# Altium PCB dcb_v2.PcbDoc (part 2 of 2)
Units mil, origin at the board's own origin, x right, y up, seen from the top; angles counter-clockwise.
Board outline 6889.76 x 2362.2 mil, 4 copper layers (Top Layer, Int1 (GND), Int2 (PWR), Bottom Layer), stack 53.912 mil thick; 162 components, 97 nets, 594 pads, 455 vias.
Unrouted connection lines stored in the file: 2.
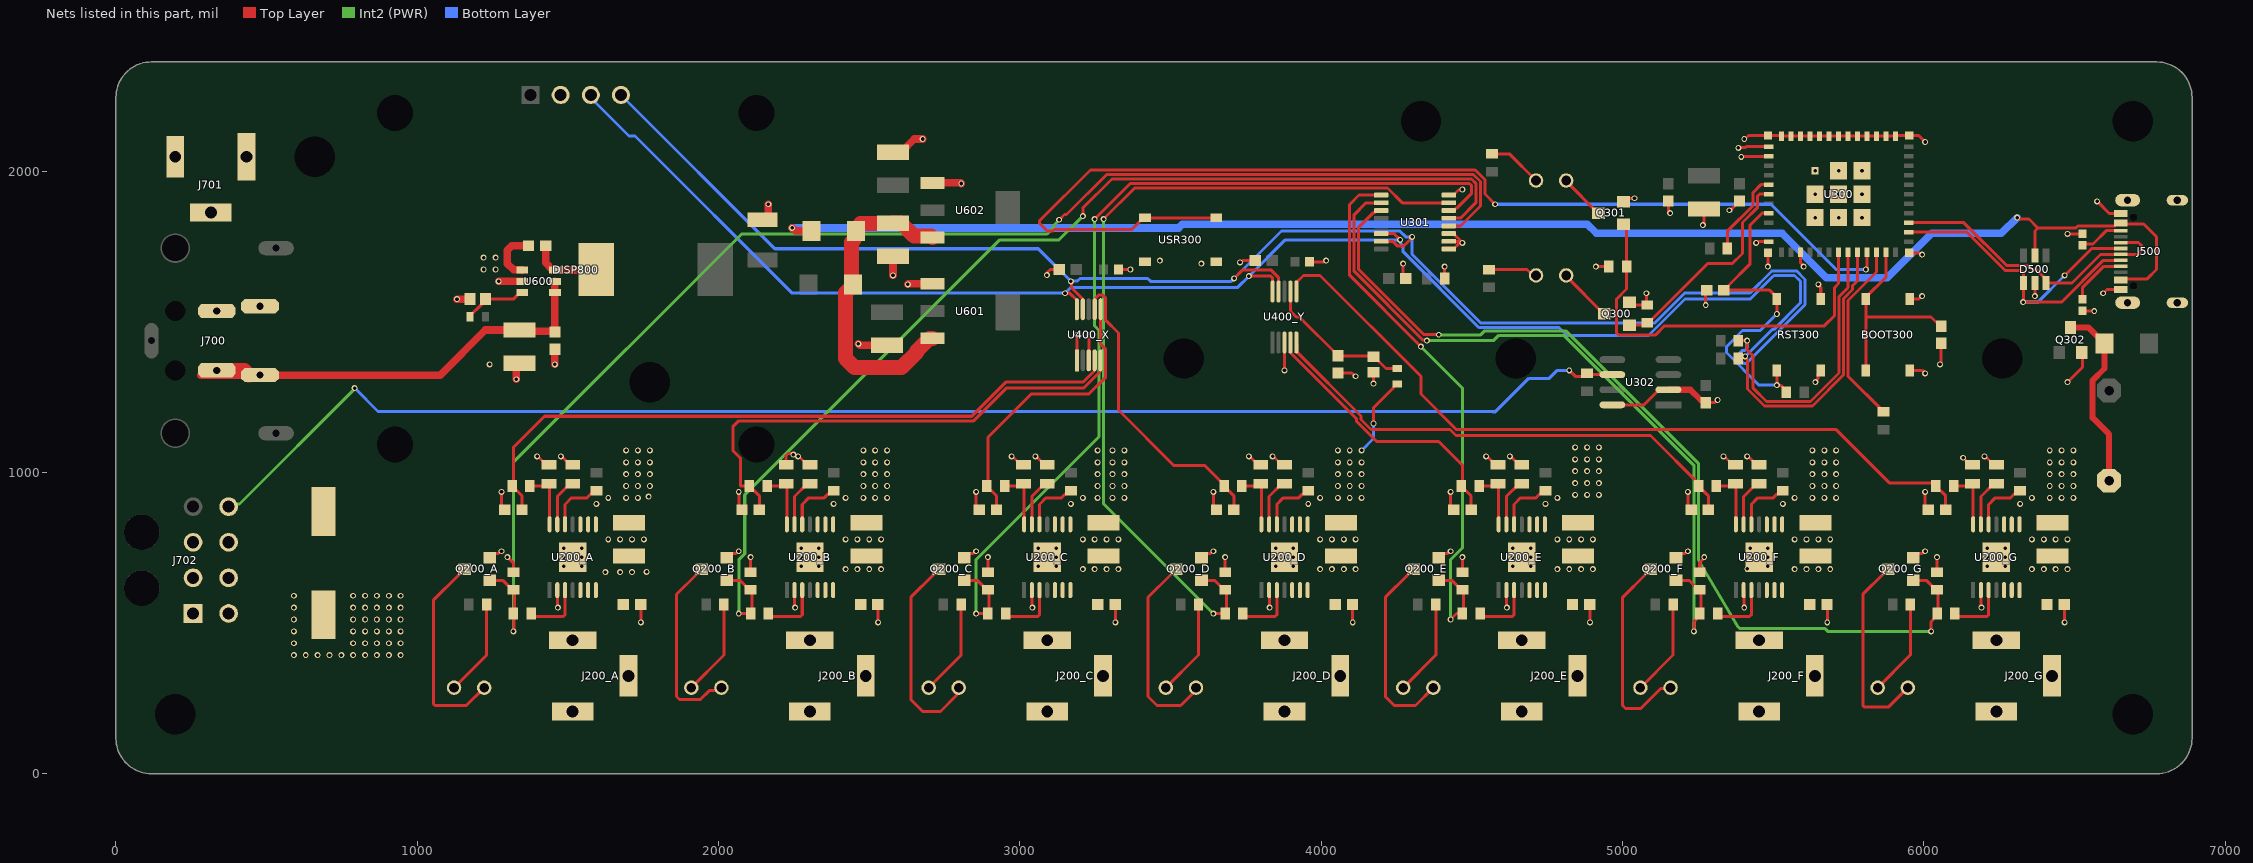
[diagram p4: the nets of this part, all layers, seen from the top]

## Via types
v1: diameter 19.68, hole 11.81, Top Layer to Bottom Layer, 455 vias

## Nets (pads, with @x,y where several pads share a name; then routed paths per layer and width w, separated by ;. In a path a pad name is that pad's centre, name@x,y a point inside that pad or via, vN(x,y) a via of type N, cw(c..) or ccw(c..) an arc to the next point about the centre after c; other vN are vias at no path point) (continued)
CANL: J702.8 R308.2 U302.6 | length 4849
  Top Layer w10: v1(4822.83,1338.58) 4842.52,1318.9 R308.2@4874.92,1318.9 ; R308.2@4881.89,1328.74 4886.42,1324.21 U302.6@4966,1324.21
  Int2 (PWR) w10: J702.8@374.02,886.22 382.7,894.91 410.25,894.91 792.4,1277.06 v1(792.4,1279.69)
  Bottom Layer w10: v1(792.4,1279.69) 869.74,1202.35 4568.23,1202.35 4569.4,1201.17 4577.69,1201.17 4688.49,1311.98 4756.87,1311.98 4783.46,1338.58 v1(4822.83,1338.58)
EN: C304.1 R310.1 RST300.3 RST300.4 U300.8 | length 1107.4
  Top Layer w10: C304.1@5335.96,1604.65 C304.1@5336.86,1604.65 ; U300.8@5484.25,1860.24 5462.6,1860.24 5423.23,1820.87 5423.23,1691.92 5349.82,1618.51 5349.82,1617.6 C304.1@5336.86,1604.65 ; RST300.4@5511.81,1338.58 v1(5511.81,1289.37) 5513.66,1287.52 5526,1287.52 5543.69,1269.82 R310.1@5543.69,1265.88 ; v1(5511.81,1525.59) RST300.3@5511.81,1574.8 5511.81,1580.71 5487.87,1604.65 C304.1@5336.86,1604.65
  Bottom Layer w10: v1(5511.81,1289.37) 5452.69,1289.37 5344.49,1397.58 5344.49,1417.32 5397.7,1470.53 5456.75,1470.53 v1(5511.81,1525.59)
GND: BOOT300.1 BOOT300.2 C100.2 C200_A.1 C200_B.1 C200_C.1 C200_D.1 C200_E.1 C200_F.1 C200_G.1 C201_A.2 C201_B.2 C201_C.2 C201_D.2 C201_E.2 C201_F.2 C201_G.2 C202_A.2 C202_B.2 C202_C.2 C202_D.2 C202_E.2 C202_F.2 C202_G.2 C300.2 C301.1 C302.2 C303.2 C304.2 C305.2 C306.2 C400_X.2 C400_Y.2 C401_X.2 C401_Y.2 C600.1 C602.1 C603.1 C604.2 C605.1 C606.1 C700.1 D500.2 DISP800.2 J200_A.2 J200_A.3 J200_B.2 J200_B.3 J200_C.2 J200_C.3 J200_D.2 J200_D.3 J200_E.2 J200_E.3 J200_F.2 J200_F.3 J200_G.2 J200_G.3 J500.A1_B12 J500.B1_A12 J500.SH1 J500.SH2 J500.SH3 J500.SH4 J700.1 J700.3 J701.2 J701.3 J702.1 J702.2 J702.3 Q200_A.2 Q200_B.2 Q200_C.2 Q200_D.2 Q200_E.2 Q200_F.2 Q200_G.2 Q300.2 Q301.2 Q302.2 R101.1 R200_A.2 R200_B.2 R200_C.2 R200_D.2 R200_E.2 R200_F.2 R200_G.2 R203_A.1 R203_B.1 R203_C.1 R203_D.1 R203_E.1 R203_F.1 R203_G.1 R204_A.1 R204_B.1 R204_C.1 R204_D.1 R204_E.1 R204_F.1 R204_G.1 R306.1 R307.1 R309.1 R500.1 R501.1 R601.1 RST300.1 RST300.2 U200_A.2 U200_A.15 U200_B.2 U200_B.15 U200_C.2 U200_C.15 U200_D.2 U200_D.15 U200_E.2 U200_E.15 U200_F.2 U200_F.15 U200_G.2 U200_G.15 U300.1 U300.2 U300.11 U300.14 U300.36 U300.37 U300.38 U300.39 U300.40 U300.41 U300.42 U300.43 U300.44 U300.45 U300.46 U300.47 U300.48 U300.49_1 U300.49_2 U300.49_3 U300.49_4 U300.49_5 U300.49_6 U300.49_7 U300.49_8 U300.49_9 U300.50 U300.51 U300.52 U300.53 U301.1 U301.2 U301.3 U301.8 U302.2 U302.8 U400_X.1 U400_X.3 U400_Y.3 U600.2 U601.1 U602.1 USR300.3 USR300.4 | length 6742.1
  Top Layer w10: Q200_A.2@1240.16,717.13 1254.16,731.13 1269.85,731.13 1276.91,738.19 v1(1279.53,738.19) ; v1(1279.53,935.04) 1279.53,886.73 C202_A.2@1290.28,875.98 ; v1(1299.06,718.5) 1300.43,718.5 1318.9,700.04 R200_A.2@1318.9,669.29 ; v1(1397.64,1053.15) 1399.49,1051.3 1402.44,1051.3 1428.15,1025.59 R204_A.1@1437.01,1025.59 ; U200_A.2@1464.57,609.24 1465.22,608.58 1465.22,552.5 v1(1466.54,551.18) ; v1(1476.38,1053.15) 1478.23,1051.3 1481.18,1051.3 1506.89,1025.59 R203_A.1@1515.75,1025.59 ; C201_A.2@1741.22,561.02 1742.13,560.12 v1(1742.13,501.97) ; Q200_B.2@2027.56,717.13 2041.56,731.13 2057.25,731.13 2064.31,738.19 v1(2066.93,738.19) ; v1(2066.93,935.04) 2066.93,886.73 C202_B.2@2077.68,875.98 ; R200_B.2@2106.3,669.29 v1(2106.3,718.5) ; R204_B.1@2224.41,1025.59 2224.41,1056.34 2230.27,1062.2 2242.27,1062.2 2245.66,1058.8 v1(2248.28,1058.8) ; U200_B.2@2251.97,609.24 2252.62,608.58 2252.62,552.5 v1(2253.94,551.18) ; v1(2263.78,1053.15) 2265.63,1051.3 2268.59,1051.3 2294.29,1025.59 R203_B.1@2303.15,1025.59 ; C201_B.2@2528.62,561.02 2529.53,560.12 v1(2529.53,501.97) ; Q200_C.2@2814.96,717.13 2828.96,731.13 2844.65,731.13 2851.71,738.19 v1(2854.33,738.19) ; v1(2854.33,935.04) 2854.33,886.73 C202_C.2@2865.08,875.98 ; R200_C.2@2893.7,669.29 v1(2893.7,718.5) ; v1(2972.44,1053.15) 2974.29,1051.3 2977.25,1051.3 3002.95,1025.59 R204_C.1@3011.81,1025.59 ; U200_C.2@3039.37,609.24 3040.02,608.58 3040.02,552.5 v1(3041.34,551.18) ; v1(3051.18,1053.15) 3053.03,1051.3 3055.99,1051.3 3081.69,1025.59 R203_C.1@3090.55,1025.59 ; v1(3089.2,1654.9) 3091.05,1656.75 3091.05,1663.6 3100.68,1673.23 C401_X.2@3129.92,1673.23 ; U400_X.1@3188.98,1372.01 v1(3188.98,1456.69) ; U400_X.3@3228.35,1372.01 v1(3228.35,1456.69) ; C201_C.2@3316.02,561.02 3316.93,560.12 v1(3316.93,501.97) ; C400_X.2@3326.77,1673.23 v1(3366.3,1673.23) ; Q200_D.2@3602.36,717.13 3616.36,731.13 3632.06,731.13 3639.11,738.19 v1(3641.73,738.19) ; v1(3641.73,935.04) 3641.73,886.73 C202_D.2@3652.48,875.98 ; R200_D.2@3681.1,669.29 v1(3681.1,718.5) ; v1(3730.32,1696.82) 3732.94,1696.82 3738.88,1702.76 C401_Y.2@3780.43,1702.76 ; v1(3759.84,1053.15) 3761.7,1051.3 3764.65,1051.3 3790.35,1025.59 R204_D.1@3799.21,1025.59 ; U200_D.2@3826.77,609.24 3827.43,608.58 3827.43,552.5 v1(3828.74,551.18) ; v1(3838.58,1053.15) 3840.44,1051.3 3843.39,1051.3 3869.09,1025.59 R203_D.1@3877.95,1025.59 ; v1(3877.95,1338.58) U400_Y.3@3877.95,1431.07 ; C400_Y.2@3961.69,1698.85 4009.07,1698.85 4013.13,1702.91 v1(4015.75,1702.91) ; C100.2@4055.12,1329.65 4100.8,1329.65 4111.55,1318.9 v1(4114.17,1318.9) ; C201_D.2@4103.43,561.02 4104.33,560.12 v1(4104.33,501.97) ; v1(4173.23,1294.69) R101.1@4173.23,1332.68 ; v1(4271.65,1692.91) 4271.65,1652.64 C302.2@4280.59,1643.7 ; C302.2@4281.5,1643.7 C302.2@4280.59,1643.7 ; C302.2@4290.35,1653.46 C302.2@4280.59,1643.7 ; Q200_E.2@4389.76,717.13 4403.76,731.13 4419.46,731.13 4426.51,738.19 v1(4429.13,738.19) ; R309.1@4409.45,1643.7 v1(4409.45,1683.07) ; U301.1@4423.23,1741.14 4438.98,1741.14 4457.79,1759.96 4466.65,1759.96 v1(4468.5,1761.81) 4468.5,1762.8 4438.98,1792.32 U301.3@4423.23,1792.32 ; U301.2@4423.23,1766.73 v1@4460.96,1766.73 ; U301.8@4423.23,1920.28 4438.98,1920.28 4455.67,1936.97 4466.65,1936.97 v1(4468.5,1938.82) ; v1(4429.13,935.04) 4429.13,886.73 C202_E.2@4439.88,875.98 ; R200_E.2@4468.5,669.29 v1(4468.5,718.5) ; v1(4547.24,1053.15) 4549.1,1051.3 4552.05,1051.3 4577.76,1025.59 R204_E.1@4586.61,1025.59 ; U200_E.2@4614.17,609.24 4614.83,608.58 4614.83,552.5 v1(4616.14,551.18) ; v1(4625.98,1053.15) 4627.84,1051.3 4630.79,1051.3 4656.5,1025.59 R203_E.1@4665.35,1025.59 ; C201_E.2@4890.83,561.02 4891.73,560.12 v1(4891.73,501.97) ; v1(4911.42,1682.91) 4953.44,1682.91 R307.1@4953.91,1683.39 ; U302.8@4966,1224.21 5070.87,1224.21 5120.87,1274.21 U302.2@5152.11,1274.21 ; Q301.2@5003.12,1898.55 5014.18,1909.61 v1(5039.37,1909.61) ; Q300.2@5022.81,1563.91 5031.28,1555.44 R306.1@5081.86,1555.44 5078.74,1558.56 v1(5078.74,1594.49) ; C300.2@5151.57,1900.51 5151.57,1868.76 5157.48,1862.86 v1(5157.48,1860.24) ; Q200_F.2@5177.17,717.13 5191.17,731.13 5206.86,731.13 5213.91,738.19 v1(5216.22,738.19) ; v1(5216.22,935.04) 5216.22,887.05 C202_F.2@5227.28,875.98 ; R200_F.2@5255.91,669.29 5255.91,700.88 5270.91,715.88 v1(5270.91,718.5) ; v1(5266.14,1820.48) 5266.14,1823.1 5269.69,1826.64 C301.1@5269.69,1874.02 ; C306.2@5275.59,1231.22 5304.63,1231.22 5313.57,1240.16 v1(5314.96,1240.16) ; v1(5275.81,1555.28) 5275.81,1601.74 C304.2@5278.71,1604.65 ; v1(5334.65,1053.15) 5336.5,1051.3 5339.45,1051.3 5365.16,1025.59 R204_F.1@5374.02,1025.59 ; v1(5354.33,1869.92) 5356.18,1871.77 5359.96,1871.77 5387.8,1899.61 C305.2@5387.8,1900.51 ; v1(5383.86,2076.77) 5385.71,2078.62 5408.33,2078.62 5410.42,2080.71 U300.1@5484.25,2080.71 ; v1(5393.7,2047.24) 5394.69,2048.23 5483.27,2048.23 U300.2@5484.25,2049.21 ; U200_F.2@5401.57,609.24 5402.23,608.58 5402.23,552.5 v1(5403.54,551.18) ; v1(5403.54,2106.3) 5406.16,2106.3 5417.98,2118.11 U300.53@5482.28,2118.11 5525.59,2118.11 U300.48@5527.56,2116.14 U300.47@5559.06,2116.14 U300.46@5590.55,2116.14 U300.45@5622.05,2116.14 U300.44@5653.54,2116.14 U300.43@5685.04,2116.14 U300.42@5716.54,2116.14 U300.41@5748.03,2116.14 U300.40@5779.53,2116.14 U300.39@5811.02,2116.14 U300.38@5842.52,2116.14 U300.37@5874.02,2116.14 U300.36@5905.51,2116.14 5907.48,2118.11 U300.50@5950.79,2118.11 5982.28,2118.11 v1(6003.94,2096.46) ; v1(5413.39,1053.15) 5415.24,1051.3 5418.19,1051.3 5443.9,1025.59 R203_F.1@5452.76,1025.59 ; v1(5443.07,1761.81) 5445.69,1761.81 5449.63,1765.75 U300.11@5484.25,1765.75 ; v1(5482.28,1682.91) U300.52@5482.28,1728.35 ; U300.14@5590.55,1730.31 5590.55,1695.38 5600.39,1685.53 v1(5600.39,1682.91) ; v1(5639.76,1299.21) 5639.76,1301.83 5648.7,1310.77 5648.7,1329.8 RST300.2@5657.48,1338.58 ; v1(5649.61,1624.02) 5649.61,1621.4 5657.48,1613.52 RST300.1@5657.48,1574.8 ; C201_F.2@5678.23,561.02 5679.13,560.12 v1(5679.13,501.97) ; U300.51@5950.79,1728.35 5985.57,1728.35 5991.47,1722.44 v1(5994.09,1722.44) ; BOOT300.2@5952.76,1338.58 5994.09,1338.58 v1(6003.94,1328.74) ; BOOT300.1@5952.76,1574.8 5981.63,1574.8 5991.47,1584.65 v1(5994.09,1584.65) ; Q200_G.2@5964.57,717.13 5978.57,731.13 5994.26,731.13 6001.32,738.19 v1(6003.94,738.19) ; v1(6003.94,935.04) 6003.94,886.73 C202_G.2@6014.69,875.98 ; R200_G.2@6043.31,669.29 v1(6043.31,718.5) ; v1(6053.15,1358.27) 6053.15,1360.89 6057.09,1364.83 C303.2@6057.09,1428.07 ; v1(6129.69,1048.46) 6152.56,1025.59 R204_G.1@6161.42,1025.59 ; U200_G.2@6188.98,609.24 6189.63,608.58 6189.63,552.5 v1(6190.94,551.18) ; v1(6200.79,1053.15) 6202.64,1051.3 6205.59,1051.3 6231.3,1025.59 R203_G.1@6240.16,1025.59 ; v1(6368.11,1584.8) D500.2@6368.11,1628.8 ; C201_G.2@6465.63,561.02 6466.54,560.12 v1(6466.54,501.97) ; v1(6476.38,1299.21) 6526.25,1349.08 6526.25,1357.37 6525.59,1358.03 Q302.2@6525.59,1387.8 ; v1(6476.38,1791.18) 6476.46,1791.26 6525.51,1791.26 R501.1@6525.59,1791.34 ; R500.1@6525.59,1537.12 6526.43,1536.28 6564.12,1536.28 v1(6564.96,1535.43) ; v1(6574.8,1899.61) 6615.3,1859.11 J500.B1_A12@6653.54,1859.11 ; v1(6594.49,1594.49) 6607.14,1607.14 J500.A1_B12@6653.54,1607.14
  Top Layer w20: U302.2@5152.11,1274.21 5224.81,1274.21 5258.94,1240.08 5267.64,1240.08 5275.59,1232.13 C306.2@5275.59,1231.22
  Top Layer w25: v1(1131.89,1574.8) R601.1@1175.2,1574.8 ; v1(1269.69,1633.86) U600.2@1348.43,1633.86 ; v1(1328.74,1309.06) 1328.74,1352.36 C602.1@1338.58,1362.2 ; v1(1456.69,1358.27) C600.1@1456.69,1408.39 ; C604.2@2145.67,1838.58 2153.25,1838.58 2165.35,1850.69 v1(2165.35,1889.76) ; v1(2463.76,1426.69) 2469.19,1421.26 C603.1@2559.06,1421.26 ; v1(2578.74,1653.54) C606.1@2578.74,1716.54 ; C605.1@2578.74,2062.99 2606.3,2062.99 2649.61,2106.3 v1(2677.17,2106.3) ; v1(2627.95,1624.02) 2629.92,1625.98 U601.1@2709.65,1625.98 ; U602.1@2709.65,1960.63 2803.15,1960.63 v1(2805.12,1958.66)
  other v1: 1624.02,669.29 1673.23,669.29 1712.6,669.29 1761.08,670.02 2421.26,679.13 2460.63,679.13 2500,679.13 2539.37,679.13 3208.66,679.13 3248.03,679.13 3287.4,679.13 3326.77,679.13 3996.06,679.13 4035.43,679.13 4074.8,679.13 4114.17,679.13 4783.46,679.13 4822.83,679.13 4862.2,679.13 4901.57,679.13 5570.87,679.13 5610.24,679.13 5649.61,679.13 5688.98,679.13 6358.27,679.13 6397.64,679.13 6437.01,679.13 6476.38,679.13 5414.12,679.87 1486.22,688.98 1545.28,688.98 2273.62,688.98 2332.68,688.98 3061.02,688.98 3120.08,688.98 3848.43,688.98 3907.48,688.98 4635.83,688.98 4694.88,688.98 5482.28,688.98 6210.63,688.98 6269.69,688.98 1486.22,718.5 1515.75,718.5 1545.28,718.5 2273.62,718.5 2303.15,718.5 2332.68,718.5 3061.02,718.5 3090.55,718.5 3120.08,718.5 3848.43,718.5 3877.95,718.5 3907.48,718.5 4635.83,718.5 4665.35,718.5 4694.88,718.5 5452.76,718.5 5482.28,718.5 6210.63,718.5 6240.16,718.5 6269.69,718.5 5427.42,722.69 1486.22,748.03 1545.28,748.03 2273.62,748.03 2332.68,748.03 3061.02,748.03 3120.08,748.03 3848.43,748.03 3907.48,748.03 4635.83,748.03 4694.88,748.03 5423.23,748.03 5482.28,748.03 6210.63,748.03 6269.69,748.03 1633.86,777.56 1673.23,777.56 1712.6,777.56 1751.97,777.56 2421.26,777.56 2460.63,777.56 2500,777.56 2539.37,777.56 3208.66,777.56 3248.03,777.56 3287.4,777.56 3326.77,777.56 3996.06,777.56 4035.43,777.56 4074.8,777.56 4114.17,777.56 4783.46,777.56 4822.83,777.56 4862.2,777.56 4901.57,777.56 5570.87,777.56 5610.24,777.56 5649.61,777.56 5688.98,777.56 6358.27,777.56 6397.64,777.56 6437.01,777.56 6476.38,777.56 1240.16,1358.27 1220.47,1673.23 1259.84,1673.23 3602.36,1692.91 3464.57,1702.76 1220.47,1712.6 1259.84,1712.6 5638.78,1845.47 5716.54,1845.47 5794.29,1845.47 5638.78,1923.23 5716.54,1923.23 5794.29,1923.23 5638.78,2000.98 5716.54,2000.98 5794.29,2000.98
IO2: R303.1 U300.5 | length 283.9
  Top Layer w10: R303.1@5347.61,1742.44 5347.61,1800.4 5433.07,1885.86 5433.07,1929.13 5458.66,1954.72 U300.5@5484.25,1954.72
LED1: Q300.1 R306.2 U300.6 | length 723.8
  Top Layer w10: Q300.1@5022.81,1488.51 5073.99,1488.51 R306.2@5081.86,1496.38 5085.8,1496.38 5282.33,1692.91 5364.17,1692.91 5397.52,1726.26 5397.52,1829.1 5448.07,1879.65 5448.07,1917.37 5453.93,1923.23 U300.6@5484.25,1923.23
LED2: Q301.1 R307.2 U300.18 | length 1345.5
  Top Layer w10: Q301.1@5003.12,1823.15 5012.97,1813.31 R307.2@5012.97,1683.39 5012.97,1608.21 4980.32,1575.56 4980.32,1462.55 4986.17,1456.69 5109.73,1456.69 5139.26,1486.22 5669.29,1486.22 5703.03,1519.96 5703.03,1613.01 5716.54,1626.52 U300.18@5716.54,1730.31
NetBOOT300_3: BOOT300.3 BOOT300.4 C303.1 U300.23 | length 686.3
  Top Layer w10: BOOT300.4@5807.09,1338.58 5807.09,1515.75 ; U300.23@5874.02,1730.31 5874.02,1647.64 5807.09,1580.71 BOOT300.3@5807.09,1574.8 5807.09,1515.75 ; C303.1@6057.09,1485.31 6057.09,1482.28 6023.62,1515.75 5807.09,1515.75
NetC202_A_1: C202_A.1 R205_A.2 U400_X.4 | length 2287.4
  Top Layer w10: C202_A.1@1347.52,875.98 1347.52,922.17 1318.9,950.79 1318.9,954.72 1318.9,1082.68 1422.48,1186.26 2840.23,1186.26 2953.18,1299.21 3209.09,1299.21 3247.31,1337.43 3247.31,1371.29 U400_X.4@3248.03,1372.01
NetC202_B_1: C202_B.1 R205_B.2 U400_X.5 | length 1659.8
  Top Layer w10: R205_B.2@2102.36,954.72 2073.36,954.72 2073.36,1046.15 2047.24,1072.27 2047.24,1151.57 2066.93,1171.26 2846.44,1171.26 2954.71,1279.53 3210.62,1279.53 3266.99,1335.91 3266.99,1371.29 U400_X.5@3267.72,1372.01 ; R205_B.2@2106.3,954.72 2106.3,950.79 2134.92,922.17 C202_B.1@2134.92,875.98
NetC202_C_1: C202_C.1 R205_C.2 U400_X.6 | length 958
  Top Layer w10: C202_C.1@2922.32,875.98 2922.32,922.17 2893.7,950.79 2893.7,954.72 2893.7,1116.16 3037.38,1259.84 3228.35,1259.84 3284.61,1316.1 3284.61,1408.67 3267.72,1425.56 U400_X.6@3267.72,1541.37
NetC202_D_1: C202_D.1 R205_D.2 U400_X.7 | length 1013.9
  Top Layer w10: U400_X.7@3248.03,1541.37 3248.03,1572.05 3250.83,1574.85 3250.83,1578.02 3260.72,1587.92 3274.71,1587.92 3284.61,1578.02 3284.61,1504.8 3326.77,1462.63 3326.77,1206.73 3509.88,1023.62 3612.2,1023.62 R205_D.2@3681.1,954.72 ; R205_D.2@3681.1,950.79 3709.72,922.17 C202_D.1@3709.72,875.98
NetC202_E_1: C202_E.1 R205_E.2 U400_Y.4 | length 924.1
  Top Layer w10: U400_Y.4@3897.64,1431.07 3898.36,1430.35 3898.36,1396.49 4116.59,1178.26 4116.59,1169.56 4183.78,1102.36 4389.76,1102.36 4468.5,1023.62 4468.5,954.72 4468.5,950.79 4497.13,922.17 C202_E.1@4497.13,875.98
NetC202_F_1: C202_F.1 R205_F.2 U400_Y.5 | length 1652.8
  Top Layer w10: U400_Y.5@3917.32,1431.07 3918.56,1429.83 3918.56,1400.18 4131.59,1187.15 4131.59,1175.77 4165.01,1142.35 4426.99,1142.35 4447.29,1122.05 5092.52,1122.05 5255.91,958.66 5255.91,950.79 5284.53,922.17 C202_F.1@5284.53,875.98
NetC202_G_1: C202_G.1 R205_G.2 U400_Y.6 | length 2582.3
  Top Layer w10: U400_Y.6@3917.32,1600.43 3917.32,1630.08 3940.78,1653.54 3996.06,1653.54 4330.71,1318.9 4330.71,1259.84 4448.82,1141.73 5708.66,1141.73 5884.92,965.47 6036.5,965.47 6043.31,958.66 6043.31,954.72 6043.31,950.79 6071.93,922.17 C202_G.1@6071.93,875.98
NetC601_1: C601.1 U600.1 | length 178.5
  Top Layer w25: U600.1@1348.43,1671.26 1347.74,1671.95 1320.18,1671.95 1299.21,1692.91 1299.21,1737.32 1313.86,1751.97 C601.1@1369.02,1751.97
NetC601_2: C601.2 L600.1 U600.6 | length 235.7
  Top Layer w25: C601.2@1426.26,1751.97 1426.26,1695.2 1450.2,1671.26 U600.6@1456.69,1671.26 1592.52,1671.26 L600.1@1594.49,1673.23
NetC606_2: C606.2 D600.K D601.K U601.3 U602.3 | length 1039.3
  Top Layer w50: D600.K@2455.89,1801.18 2450.89,1796.18 2450.89,1773.84 2440.94,1763.89 2440.94,1656.76 2441.05,1656.66 2441.05,1616.02 2421.26,1596.23 2421.26,1377.71 2450.55,1348.43 2607.39,1348.43 2658.94,1399.97 2658.94,1404.21 2699.61,1444.88 U601.3@2709.65,1444.88 ; D600.K@2471.05,1826.18 2578.15,1826.18 C606.2@2578.74,1826.77 2606.3,1826.77 2648.23,1784.84 2704.33,1784.84 U602.3@2709.65,1779.53
NetD300_A: D300.A Q302.3 SP300.- | length 628.9
  Top Layer w20: Q302.3@6486.22,1481.01 6545.39,1481.01 D300.A@6599.23,1427.17 6599.23,1344.67 6559.8,1305.25 6559.8,1180.71 6614.17,1126.34 SP300.-@6614.17,972.44
NetJ500_A5: J500.A5 R500.2 | length 195.3
  Top Layer w10: R500.2@6525.59,1574.8 6525.59,1612.65 6596.86,1683.91 J500.A5@6653.54,1683.91
NetJ500_B5: J500.B5 R501.2 | length 148
  Top Layer w10: R501.2@6525.59,1753.66 6529.9,1757.97 6560.55,1757.97 6604.61,1802.03 J500.B5@6653.54,1802.03
NetLED200_A_A: LED200_A.A R206_A.1 | length 320.4
  Top Layer w10: LED200_A.A@1122.05,285.43 1230.32,393.7 R206_A.1@1230.32,561.02
NetLED200_A_C: LED200_A.C Q200_A.3 | length 686.8
  Top Layer w10: Q200_A.3@1156.79,679.13 1154.79,679.13 1140.79,665.13 1140.79,663.13 1053.15,575.5 1053.15,232.24 1059.01,226.38 1162.99,226.38 LED200_A.C@1222.05,285.43
NetLED200_B_A: LED200_B.A R206_B.1 | length 320.4
  Top Layer w10: LED200_B.A@1909.45,285.43 2017.72,393.7 R206_B.1@2017.72,561.02
NetLED200_B_C: LED200_B.C Q200_B.3 | length 617
  Top Layer w10: Q200_B.3@1944.19,679.13 1942.19,679.13 1928.19,665.13 1928.19,663.13 1860.24,595.18 1860.24,255.91 1870.08,246.06 1939.54,246.06 1969.07,275.59 1984.59,275.59 1987.16,278.16 1997.03,278.16 LED200_B.C@1999.61,275.59
NetLED200_C_A: LED200_C.A R206_C.1 | length 306.5
  Top Layer w10: LED200_C.A@2706.69,295.28 2805.12,393.7 R206_C.1@2805.12,561.02
NetLED200_C_C: LED200_C.C Q200_C.3 | length 681.4
  Top Layer w10: Q200_C.3@2731.59,679.13 2729.59,679.13 2715.59,665.13 2715.59,663.13 2637.8,585.34 2637.8,246.06 2677.17,206.69 2736.22,206.69 2789.58,260.05 LED200_C.C@2789.58,278.16
NetLED200_D_A: LED200_D.A R206_D.1 | length 320.4
  Top Layer w10: LED200_D.A@3484.25,285.43 3592.52,393.7 R206_D.1@3592.52,561.02
NetLED200_D_C: LED200_D.C Q200_D.3 | length 663.8
  Top Layer w10: Q200_D.3@3518.99,679.13 3516.99,679.13 3502.99,665.13 3502.99,663.13 3425.2,585.34 3425.2,255.91 3454.72,226.38 3533.46,226.38 3584.25,277.17 LED200_D.C@3584.25,285.43
NetLED200_E_A: LED200_E.A R206_E.1 | length 320.4
  Top Layer w10: LED200_E.A@4271.65,285.43 4379.92,393.7 R206_E.1@4379.92,561.02
NetLED200_E_C: LED200_E.C Q200_E.3 | length 659
  Top Layer w10: Q200_E.3@4306.39,679.13 4304.39,679.13 4290.39,665.13 4290.39,663.13 4212.6,585.34 4212.6,255.91 4242.13,226.38 4312.6,226.38 LED200_E.C@4371.65,285.43
NetLED200_F_A: LED200_F.A R206_F.1 | length 320.4
  Top Layer w10: LED200_F.A@5059.06,285.43 5167.32,393.7 R206_F.1@5167.32,561.02
NetLED200_F_C: LED200_F.C Q200_F.3 | length 684.4
  Top Layer w10: Q200_F.3@5093.8,679.13 5091.8,679.13 5077.8,665.13 5077.8,663.13 5000,585.34 5000,226.38 5009.84,216.54 5060.46,216.54 5126.63,282.71 5156.33,282.71 LED200_F.C@5159.06,285.43
NetLED200_G_A: LED200_G.A R206_G.1 | length 320.4
  Top Layer w10: LED200_G.A@5846.46,285.43 5954.72,393.7 R206_G.1@5954.72,561.02
NetLED200_G_C: LED200_G.C Q200_G.3 | length 666.7
  Top Layer w10: Q200_G.3@5881.2,679.13 5879.2,679.13 5865.2,665.13 5865.2,663.13 5797.24,595.18 5797.24,226.73 5803.1,220.87 5881.89,220.87 LED200_G.C@5946.46,285.43
NetLED300_A: LED300.A R304.1 | length 163.7
  Top Layer w10: R304.1@4557.09,1673.23 4682.63,1673.23 4702.32,1653.54 LED300.A@4712.6,1653.54
NetLED300_C: LED300.C Q300.3 | length 181.3
  Top Layer w10: LED300.C@4812.6,1653.54 4812.6,1650.75 4937.44,1525.91 Q300.3@4939.44,1525.91
NetLED301_A: LED301.A R305.1 | length 182.4
  Top Layer w10: R305.1@4566.93,2057.09 4624.02,2057.09 LED301.A@4712.6,1968.5
NetLED301_C: LED301.C Q301.3 | length 153.5
  Top Layer w10: LED301.C@4812.6,1968.5 4812.6,1965.71 4917.75,1860.55 Q301.3@4919.75,1860.55
NetQ200_A_1: Q200_A.1 R200_A.1 R201_A.1 U301.4 | length 4626.2
  Top Layer w10: Q200_A.1@1240.16,641.73 1283.46,641.73 1314.96,610.24 R200_A.1@1318.9,610.24 1322.83,606.3 1322.83,531.5 1320.75,529.41 1320.75,474.29 v1(1318.9,472.44) ; v1(3129.92,1838.37) 3130.51,1838.37 3147.78,1855.64 3154.85,1855.64 3287.87,1988.66 4504.6,1988.66 4528.03,1965.23 4528.03,1884.09 4461.85,1817.91 U301.4@4423.23,1817.91
  Int2 (PWR) w10: v1(1318.9,472.44) 1318.9,1033.46 2076.77,1791.34 3090.55,1791.34 3112.65,1813.44 3112.65,1820.51 3129.92,1837.78 v1(3129.92,1838.37)
NetQ200_B_1: Q200_B.1 R200_B.1 R201_B.1 U301.5 | length 3675.1
  Top Layer w10: Q200_B.1@2027.56,641.73 2070.87,641.73 2102.36,610.24 R200_B.1@2106.3,610.24 2110.24,606.3 2110.24,531.5 v1(2066.93,531.5) ; v1(3208.66,1850.39) 3208.66,1877.21 3305.11,1973.66 4498.39,1973.66 4513.03,1959.02 4513.03,1894.68 4461.85,1843.5 U301.5@4423.23,1843.5
  Int2 (PWR) w10: v1(2066.93,531.5) 2066.93,710.13 2086.77,729.97 2086.77,925.35 2933.07,1771.65 3129.92,1771.65 v1(3208.66,1850.39)
NetQ200_C_1: Q200_C.1 R200_C.1 R201_C.1 U301.6 | length 3126.7
  Top Layer w10: Q200_C.1@2814.96,641.73 2858.27,641.73 2889.76,610.24 R200_C.1@2893.7,610.24 2897.64,606.3 2897.64,531.5 v1(2854.33,531.5) ; v1(3248.03,1840.55) 3366.14,1958.66 4492.17,1958.66 4498.03,1952.8 4498.03,1925 4449.84,1876.81 4446.69,1876.81 4438.98,1869.09 U301.6@4423.23,1869.09
  Int2 (PWR) w10: v1(2854.33,531.5) 2854.33,710.13 3262.56,1118.36 3262.56,1470.88 3248.03,1485.41 v1(3248.03,1840.55)
NetQ200_D_1: Q200_D.1 R200_D.1 R201_D.1 U301.7 | length 2884
  Top Layer w10: v1(3277.56,1840.55) 3380.67,1943.66 4219.92,1943.66 4268.89,1894.69 U301.7@4423.23,1894.69 ; Q200_D.1@3602.36,641.73 3645.67,641.73 3677.17,610.24 R200_D.1@3681.1,610.24 3685.04,606.3 3685.04,531.5 v1(3641.73,531.5)
  Int2 (PWR) w10: v1(3277.56,1840.55) 3277.56,895.67 v1(3641.73,531.5)
NetQ200_E_1: Q200_E.1 R200_E.1 R201_E.1 U301.9 | length 1890.2
  Top Layer w10: U301.9@4198.82,1920.28 4125,1920.28 4094.02,1889.29 4094.02,1654.02 v1(4330.71,1417.32) ; Q200_E.1@4389.76,641.73 4433.07,641.73 4464.57,610.24 R200_E.1@4468.5,610.24 4472.44,606.3 4472.44,531.5 R201_E.1@4468.5,531.5 4448.82,531.5 v1(4429.13,511.81)
  Int2 (PWR) w10: v1(4330.71,1417.32) 4468.5,1279.53 4468.5,749.5 4429.13,710.13 v1(4429.13,511.81)
NetQ200_F_1: Q200_F.1 R200_F.1 R201_F.1 U301.10 | length 2495.1
  Top Layer w10: U301.10@4198.82,1894.69 4148.62,1894.69 4109.02,1855.08 4109.02,1667.02 4337.17,1438.86 4348.54,1438.86 v1(4350.39,1437.01) ; Q200_F.1@5177.17,641.73 5220.47,641.73 5251.97,610.24 R200_F.1@5255.91,610.24 5259.84,606.3 5259.84,527.56 5236.22,503.94 v1(5236.22,472.44)
  Int2 (PWR) w10: v1(4350.39,1437.01) 4350.55,1436.85 4570.9,1436.85 4588.93,1454.88 4804.96,1454.88 5236.06,1023.78 5236.06,472.6 v1(5236.22,472.44)
NetQ200_G_1: Q200_G.1 R200_G.1 R201_G.1 U301.11 | length 3109
  Top Layer w10: U301.11@4198.82,1869.09 4183.07,1869.09 4175.35,1861.38 4172.21,1861.38 4124.02,1813.19 4124.02,1673.23 4339.09,1458.15 4388.31,1458.15 v1(4389.76,1456.69) ; Q200_G.1@5964.57,641.73 6007.87,641.73 6039.37,610.24 R200_G.1@6043.31,610.24 6047.24,606.3 6047.24,527.56 6023.62,503.94 v1(6023.62,472.44)
  Int2 (PWR) w10: v1(4389.76,1456.69) 4529.01,1456.69 4542.2,1469.88 4811.17,1469.88 5251.06,1029.99 5251.06,710.28 5381.98,488.3 5387.84,482.44 5670.6,482.44 5680.6,472.44 v1(6023.62,472.44)
NetR201_A_2: R201_A.2 U200_A.3 | length 206.1
  Top Layer w10: R201_A.2@1374.02,531.5 1374.02,528.46 1380.83,521.65 1484.3,521.65 1490.16,527.51 U200_A.3@1490.16,609.24
NetR201_B_2: R201_B.2 U200_B.3 | length 206.1
  Top Layer w10: R201_B.2@2161.42,531.5 2161.42,528.46 2168.23,521.65 2271.7,521.65 2277.56,527.51 U200_B.3@2277.56,609.24
NetR201_C_2: R201_C.2 U200_C.3 | length 206.1
  Top Layer w10: R201_C.2@2948.82,531.5 2948.82,528.46 2955.63,521.65 3059.1,521.65 3064.96,527.51 U200_C.3@3064.96,609.24
NetR201_D_2: R201_D.2 U200_D.3 | length 206.1
  Top Layer w10: R201_D.2@3736.22,531.5 3736.22,528.46 3743.03,521.65 3846.5,521.65 3852.36,527.51 U200_D.3@3852.36,609.24
NetR201_E_2: R201_E.2 U200_E.3 | length 206.1
  Top Layer w10: R201_E.2@4523.62,531.5 4523.62,528.46 4530.43,521.65 4633.91,521.65 4639.76,527.51 U200_E.3@4639.76,609.24
NetR201_F_2: R201_F.2 U200_F.3 | length 206.1
  Top Layer w10: R201_F.2@5311.02,531.5 5311.02,528.46 5317.83,521.65 5421.31,521.65 5427.17,527.51 U200_F.3@5427.17,609.24
NetR201_G_2: R201_G.2 U200_G.3 | length 206.1
  Top Layer w10: R201_G.2@6098.43,531.5 6098.43,528.46 6105.24,521.65 6208.71,521.65 6214.57,527.51 U200_G.3@6214.57,609.24
NetR202_A_2: R202_A.2 U200_A.12 | length 190.7
  Top Layer w10: U200_A.12@1490.16,827.77 1490.16,893.75 1511.76,915.35 1562.99,915.35 1590.55,942.91 R202_A.2@1594.49,942.91
NetR202_B_2: R202_B.2 U200_B.12 | length 190.7
  Top Layer w10: U200_B.12@2277.56,827.77 2277.56,893.75 2299.16,915.35 2350.39,915.35 2377.95,942.91 R202_B.2@2381.89,942.91
NetR202_C_2: R202_C.2 U200_C.12 | length 190.7
  Top Layer w10: U200_C.12@3064.96,827.77 3064.96,893.75 3086.57,915.35 3137.8,915.35 3165.35,942.91 R202_C.2@3169.29,942.91
NetR202_D_2: R202_D.2 U200_D.12 | length 190.7
  Top Layer w10: U200_D.12@3852.36,827.77 3852.36,893.75 3873.97,915.35 3925.2,915.35 3952.76,942.91 R202_D.2@3956.69,942.91
NetR202_E_2: R202_E.2 U200_E.12 | length 190.7
  Top Layer w10: U200_E.12@4639.76,827.77 4639.76,893.75 4661.37,915.35 4712.6,915.35 4740.16,942.91 R202_E.2@4744.09,942.91
NetR202_F_2: R202_F.2 U200_F.12 | length 190.7
  Top Layer w10: U200_F.12@5427.17,827.77 5427.17,893.75 5448.77,915.35 5500,915.35 5527.56,942.91 R202_F.2@5531.5,942.91
NetR202_G_2: R202_G.2 U200_G.12 | length 190.7
  Top Layer w10: U200_G.12@6214.57,827.77 6214.57,893.75 6236.17,915.35 6287.4,915.35 6314.96,942.91 R202_G.2@6318.9,942.91
NetR203_A_2: R203_A.2 U200_A.13 | length 161.2
  Top Layer w10: U200_A.13@1464.57,827.77 1464.57,920.28 1506.89,962.6 R203_A.2@1515.75,962.6
NetR203_B_2: R203_B.2 U200_B.13 | length 161.2
  Top Layer w10: U200_B.13@2251.97,827.77 2251.97,920.28 2294.29,962.6 R203_B.2@2303.15,962.6
NetR203_C_2: R203_C.2 U200_C.13 | length 161.2
  Top Layer w10: U200_C.13@3039.37,827.77 3039.37,920.28 3081.69,962.6 R203_C.2@3090.55,962.6
NetR203_D_2: R203_D.2 U200_D.13 | length 161.2
  Top Layer w10: U200_D.13@3826.77,827.77 3826.77,920.28 3869.09,962.6 R203_D.2@3877.95,962.6
NetR203_E_2: R203_E.2 U200_E.13 | length 161.2
  Top Layer w10: U200_E.13@4614.17,827.77 4614.17,920.28 4656.5,962.6 R203_E.2@4665.35,962.6
NetR203_F_2: R203_F.2 U200_F.13 | length 161.2
  Top Layer w10: U200_F.13@5401.57,827.77 5401.57,920.28 5443.9,962.6 R203_F.2@5452.76,962.6
NetR203_G_2: R203_G.2 U200_G.13 | length 161.2
  Top Layer w10: U200_G.13@6188.98,827.77 6188.98,920.28 6231.3,962.6 R203_G.2@6240.16,962.6
NetR204_A_2: R204_A.2 R205_A.1 U200_A.14 | length 205.8
  Top Layer w10: R205_A.1@1370.08,954.72 1429.13,954.72 R204_A.2@1437.01,962.6 1438.98,960.63 U200_A.14@1438.98,827.77
NetR204_B_2: R204_B.2 R205_B.1 U200_B.14 | length 205.8
  Top Layer w10: R205_B.1@2157.48,954.72 2216.54,954.72 R204_B.2@2224.41,962.6 2226.38,960.63 U200_B.14@2226.38,827.77
NetR204_C_2: R204_C.2 R205_C.1 U200_C.14 | length 205.8
  Top Layer w10: R205_C.1@2944.88,954.72 3003.94,954.72 R204_C.2@3011.81,962.6 3013.78,960.63 U200_C.14@3013.78,827.77
NetR204_D_2: R204_D.2 R205_D.1 U200_D.14 | length 205.8
  Top Layer w10: R205_D.1@3732.28,954.72 3791.34,954.72 R204_D.2@3799.21,962.6 3801.18,960.63 U200_D.14@3801.18,827.77
NetR204_E_2: R204_E.2 R205_E.1 U200_E.14 | length 205.8
  Top Layer w10: R205_E.1@4519.69,954.72 4578.74,954.72 R204_E.2@4586.61,962.6 4588.58,960.63 U200_E.14@4588.58,827.77
NetR204_F_2: R204_F.2 R205_F.1 U200_F.14 | length 205.8
  Top Layer w10: R205_F.1@5307.09,954.72 5366.14,954.72 R204_F.2@5374.02,962.6 5375.98,960.63 U200_F.14@5375.98,827.77
NetR204_G_2: R204_G.2 R205_G.1 U200_G.14 | length 205.8
  Top Layer w10: R205_G.1@6094.49,954.72 6153.54,954.72 R204_G.2@6161.42,962.6 6163.39,960.63 U200_G.14@6163.39,827.77
NetR300_1: R300.1 U300.22 | length 617.6
  Top Layer w10: U300.22@5842.52,1730.31 5842.52,1664.88 5748.03,1570.39 5748.03,1318.9 R300.1@5866.14,1200.79
NetR600_1: R600.1 R601.2 U600.3 | length 211.3
  Top Layer w10: R600.1@1175.2,1515.75 1175.2,1519.69 1213.66,1558.15 1213.66,1562.09 R601.2@1226.38,1574.8 1318.9,1574.8 1340.55,1596.46 U600.3@1348.43,1596.46
NetU300_21: U300.21 USR300.1 USR300.2 | length 3658.7
  Top Layer w10: USR300.2@3651.57,1844.49 USR300.1@3415.35,1844.49 3409.45,1844.49 3371.61,1806.65 3115.42,1806.65 3109.95,1801.18 3090.55,1801.18 3065.17,1826.57 3065.17,1834.85 3233.98,2003.66 4510.81,2003.66 4543.03,1971.44 4543.03,1923.5 v1(4576.77,1889.76) ; v1(5807.09,1673.23) 5811.02,1677.17 U300.21@5811.02,1730.31
  Bottom Layer w10: v1(4576.77,1889.76) 5492.13,1889.76 5708.66,1673.23 v1(5807.09,1673.23)
SCL: DISP800.3 R301.1 U300.20 U301.14 U400_X.10 U400_Y.10 | length 6125.9
  Top Layer w10: v1(3149.61,1594.49) 3165.52,1594.49 3188.98,1571.03 U400_X.10@3188.98,1541.37 ; v1(3759.84,1651.05) 3832.72,1651.05 3838.58,1645.2 U400_Y.10@3838.58,1600.43 ; U301.14@4198.82,1792.32 4241.34,1792.32 v1(4261.81,1771.85) ; v1(5406.19,1385.15) 5406.19,1382.53 5414.61,1374.11 5414.61,1276.78 5470.91,1220.47 5629.92,1220.47 5733.03,1323.58 5733.03,1576.6 5763.03,1606.6 5763.03,1619.33 5779.53,1635.83 U300.20@5779.53,1730.31
  Bottom Layer w10: DISP800.3@1574.8,2244.09 1702.76,2116.14 1722.44,2116.14 2244.09,1594.49 v1(3149.61,1594.49) 3169.29,1614.17 3722.96,1614.17 v1(3759.84,1651.05) 3880.64,1771.85 v1(4261.81,1771.85) 4263.66,1769.99 4263.66,1759.8 4271.65,1751.81 4271.65,1732.06 4522.65,1481.06 4788.62,1481.06 4815.59,1454.1 5085.99,1454.1 5207.01,1575.12 5423.61,1575.12 5496.56,1648.07 5496.72,1648.07 5502.35,1653.7 5570.71,1653.7 5590.55,1633.86 5590.55,1562.66 5502.72,1474.83 5497.45,1474.83 5407.77,1385.15 v1(5406.19,1385.15)
SDA: DISP800.4 R302.1 U300.19 U301.15 U400_X.9 U400_Y.9 | length 6369.3
  Top Layer w10: v1(3169.29,1634.02) 3171.14,1632.16 3171.14,1612.75 3207.94,1575.95 3207.94,1542.1 U400_X.9@3208.66,1541.37 ; v1(3710.63,1643.7) 3737.83,1670.9 3834.1,1670.9 3857.54,1647.45 3857.54,1601.15 U400_Y.9@3858.27,1600.43 ; U301.15@4198.82,1766.73 4237.07,1766.73 4251.8,1752 4274.31,1752 v1@4302.49,1780.19 ; R302.1@5383.86,1437.01 v1(5413.39,1437.01) 5413.39,1406.01 5433.23,1386.17 5433.23,1279.69 5433.07,1279.53 5477.13,1235.47 5623.71,1235.47 5718.03,1329.8 5718.03,1582.82 5748.03,1612.82 U300.19@5748.03,1730.31
  Bottom Layer w10: DISP800.4@1675.98,2252.52 2186.38,1742.13 3061.18,1742.13 v1(3169.29,1634.02) 3171.14,1635.87 3191.3,1635.87 3199.13,1643.7 3424.04,1643.7 3433.73,1634.02 3700.94,1634.02 v1(3710.63,1643.7) 3868.11,1801.18 4260.54,1801.18 4280.22,1781.5 v1(4301.18,1781.5) 4301.02,1781.34 4301.02,1723.91 4528.87,1496.06 5106.74,1496.06 5205.16,1594.49 5421.76,1594.49 5490.35,1663.07 5490.5,1663.07 5496.13,1668.7 5576.92,1668.7 5605.55,1640.07 5605.55,1556.45 5410.33,1361.23 5402.05,1361.23 5386.35,1376.93 5386.35,1393.37 5397.97,1404.99 5406.4,1404.99 5413.39,1411.98 v1(5413.39,1437.01)
USBDN: D500.1 J500.A7 J500.B7 U300.26 | length 1315.4
  Top Layer w10: U300.26@5948.82,1797.24 6142.65,1797.24 6269.17,1670.73 6321.4,1670.73 6329.72,1662.4 6329.72,1565.94 v1(6328.74,1564.96) 6456.69,1564.96 6595.33,1703.6 J500.B7@6653.54,1703.6 ; v1(6466.54,1653.54) 6466.94,1653.54 6556.37,1742.97 J500.A7@6653.54,1742.97
  Bottom Layer w10: v1(6328.74,1564.96) 6377.95,1564.96 v1(6466.54,1653.54)
USBDP: D500.3 J500.A6 J500.B6 U300.27 | length 996
  Top Layer w10: U300.27@5948.82,1828.74 6132.37,1828.74 6275.39,1685.73 6345.77,1685.73 6358.27,1673.23 6373.25,1673.23 6391.13,1655.35 6391.13,1654.99 6405.51,1640.61 D500.3@6405.51,1628.8 6491,1628.8 6585.49,1723.29 J500.A6@6653.54,1723.29 6707.58,1723.29 6722.44,1738.14 6722.44,1751.97 6711.75,1762.66 J500.B6@6653.54,1762.66
VBUS: D500.5 D600.A J500.A4_B9 J500.B4_A9 | length 5133.9
  Top Layer w10: v1(6309.06,1845.49) 6311.68,1845.49 6316.52,1840.65 6348.33,1840.65 6377.95,1811.02 ; D500.5@6368.11,1719.35 6368.11,1801.18 6377.95,1811.02 ; J500.A4_B9@6653.54,1638.64 6657.05,1642.14 6740.57,1642.14 6771.65,1673.23 6771.65,1781.5 6729.04,1824.11 6657.05,1824.11 J500.B4_A9@6653.54,1827.62 6642.91,1827.62 6633.23,1817.93 6510.72,1817.93 6503.81,1811.02 6377.95,1811.02
  Top Layer w25: v1(2244.09,1811.18) 2244.09,1811.02 2253.94,1801.18 D600.A@2307.89,1801.18
  Bottom Layer w25: v1(2244.09,1811.18) 2244.25,1811.02 3526.62,1811.02 3539.28,1823.68 4882.72,1823.68 4913.26,1793.13 5528.84,1793.13 5676.09,1645.89 5878.87,1645.89 6026.12,1793.13 6256.7,1793.13 v1(6309.06,1845.49)
VIN: C200_A.2 C200_B.2 C200_C.2 C200_D.2 C200_E.2 C200_F.2 C200_G.2 C600.2 C602.2 C700.2 J700.2 J700.4 J701.1 J702.5 J702.6 J702.7 R100.2 U200_A.8 U200_A.9 U200_A.10 U200_B.8 U200_B.9 U200_B.10 U200_C.8 U200_C.9 U200_C.10 U200_D.8 U200_D.9 U200_D.10 U200_E.8 U200_E.9 U200_E.10 U200_F.8 U200_F.9 U200_F.10 U200_G.8 U200_G.9 U200_G.10 U600.4 U600.5 | length 1793.5
  Top Layer w10: v1(4173.23,1162.19) 4173.23,1214.57 4241.22,1282.56 4241.22,1286.5 4248.03,1293.31 R100.2@4251.97,1293.31
  Top Layer w25: J700.4@281.5,1322.83 441.73,1322.83 J700.2@478.35,1322.83 1076.77,1322.83 1226.38,1472.44 C602.2@1338.58,1472.44 1341.99,1469.04 1453.29,1469.04 C600.2@1456.69,1465.63 U600.4@1456.69,1596.46 U600.5@1456.69,1633.86
  Top Layer w50: J700.4@334.65,1338.58 336.02,1337.2 427.36,1337.2 J700.2@441.73,1322.83
  Bottom Layer w10: v1(4133.86,1072.83) 4173.23,1112.2 v1(4173.23,1162.19)
  other v1: 590.55,393.7 629.92,393.7 669.29,393.7 708.66,393.7 748.03,393.7 787.4,393.7 826.77,393.7 866.14,393.7 905.51,393.7 944.88,393.7 590.55,433.07 787.4,433.07 826.77,433.07 866.14,433.07 905.51,433.07 944.88,433.07 590.55,472.44 787.4,472.44 826.77,472.44 866.14,472.44 905.51,472.44 944.88,472.44 590.55,511.81 787.4,511.81 826.77,511.81 866.14,511.81 905.51,511.81 944.88,511.81 590.55,551.18 787.4,551.18 826.77,551.18 866.14,551.18 905.51,551.18 944.88,551.18 590.55,590.55 787.4,590.55 826.77,590.55 866.14,590.55 905.51,590.55 944.88,590.55 1594.49,895.67 2381.89,895.67 3169.29,895.67 3956.69,895.67 4744.09,895.67 5531.5,895.67 6318.9,895.67 1633.86,915.35 1692.91,915.35 1732.28,915.35 2421.26,915.35 2480.32,915.35 2519.68,915.35 2559.06,915.35 3208.66,915.35 3257.72,915.35 3307.09,915.35 3346.46,915.35 3996.06,915.35 4055.12,915.35 4094.49,915.35 4133.86,915.35 4783.46,915.35 5570.87,915.35 5629.92,915.35 5669.29,915.35 5708.66,915.35 6358.27,915.35 6417.32,915.35 6456.69,915.35 6496.06,915.35 1767.47,919.54 4842.52,925.2 4881.89,925.2 4921.26,925.2 1692.91,954.72 1732.28,954.72 1771.65,954.72 2480.32,954.72 2519.68,954.72 2559.06,954.72 3257.72,954.72 3307.09,954.72 3346.46,954.72 4055.12,954.72 4094.49,954.72 4133.86,954.72 5629.92,954.72 5669.29,954.72 5708.66,954.72 6417.32,954.72 6456.69,954.72 6496.06,954.72 4842.52,964.57 4881.89,964.57 4921.26,964.57 1692.91,994.09 1732.28,994.09 1771.65,994.09 2480.32,994.09 2519.68,994.09 2559.06,994.09 3257.72,994.09 3307.09,994.09 3346.46,994.09 4055.12,994.09 4094.49,994.09 4133.86,994.09 5629.92,994.09 5669.29,994.09 5708.66,994.09 6417.32,994.09 6456.69,994.09 6496.06,994.09 4842.52,1003.94 4881.89,1003.94 4921.26,1003.94 1692.91,1033.46 1732.28,1033.46 1771.65,1033.46 2480.32,1033.46 2519.68,1033.46 2559.06,1033.46 3257.72,1033.46 3307.09,1033.46 3346.46,1033.46 4055.12,1033.46 4094.49,1033.46 4133.86,1033.46 5629.92,1033.46 5669.29,1033.46 5708.66,1033.46 6417.32,1033.46 6456.69,1033.46 6496.06,1033.46 4842.52,1043.31 4881.89,1043.31 4921.26,1043.31 1692.91,1072.83 1732.28,1072.83 1771.65,1072.83 2480.32,1072.83 2519.68,1072.83 2559.06,1072.83 3257.72,1072.83 3307.09,1072.83 3346.46,1072.83 4055.12,1072.83 4094.49,1072.83 5629.92,1072.83 5669.29,1072.83 5708.66,1072.83 6417.32,1072.83 6456.69,1072.83 6496.06,1072.83 4842.52,1082.68 4881.89,1082.68 4921.26,1082.68
VO_A: C201_A.1 J200_A.1 U200_A.5 U200_A.6 U200_A.7
VO_B: C201_B.1 J200_B.1 U200_B.5 U200_B.6 U200_B.7
VO_C: C201_C.1 J200_C.1 U200_C.5 U200_C.6 U200_C.7
VO_D: C201_D.1 J200_D.1 U200_D.5 U200_D.6 U200_D.7
VO_E: C201_E.1 J200_E.1 U200_E.5 U200_E.6 U200_E.7
VO_F: C201_F.1 J200_F.1 U200_F.5 U200_F.6 U200_F.7
VO_G: C201_G.1 J200_G.1 U200_G.5 U200_G.6 U200_G.7
VTAP: C100.1 R100.1 R101.2 U400_Y.7 | length 498.9
  Top Layer w10: U400_Y.7@3897.64,1600.43 3897.64,1535.43 3917.32,1515.75 3927.17,1515.75 4055.12,1387.8 C100.1@4055.12,1386.89 4170.2,1386.89 R101.2@4173.23,1383.86 4175.2,1383.86 4214.57,1344.49 R100.1@4251.97,1344.49
pads on no net: D500.4 D500.6 DISP800. J500. J500.A8 J500.B8 J700. J700.SHLD J702. U200_A.1 U200_A.4 U200_A.11 U200_B.1 U200_B.4 U200_B.11 U200_C.1 U200_C.4 U200_C.11 U200_D.1 U200_D.4 U200_D.11 U200_E.1 U200_E.4 U200_E.11 U200_F.1 U200_F.4 U200_F.11 U200_G.1 U200_G.4 U200_G.11 U300.4 U300.7 U300.9 U300.10 U300.15 U300.16 U300.17 U300.24 U300.25 U300.28 U300.29 U300.30 U300.31 U300.32 U300.33 U300.34 U300.35 U301.13 U302.5 U400_X.2 U400_Y.2

## Polygon pours and split planes (outlines as drawn)
VIN on Top Layer "VIN_L01_P037" (solid, remove dead copper, pour order 37): 433.07,826.77 314.96,826.77 314.96,590.55 433.07,590.55
VIN on Top Layer "VIN_L01_P045" (solid, pour order 45): 314.96,629.92 984.25,629.92 984.25,364.17 383.86,364.17 314.96,433.07
GND on Top Layer "GND_L01_P044" (solid, pour order 44): -157.48,866.14 314.96,866.14 314.96,433.07 383.86,364.17 6515.75,364.17 6515.75,98.43 6496.06,78.74 -118.11,78.74 -157.48,118.11
GND on Top Layer "GND_L01_P043" (solid, remove dead copper, pour order 43): 39.37,2322.83 885.83,2322.83 1515.75,1692.91 1515.75,787.4 6889.76,787.4 6889.76,629.92 236.22,629.92 39.37,433.07
GND on Top Layer "GND_L01_P019" (solid, pour order 19): 6515.75,797.24 6515.75,620.08 6358.27,620.08 6338.58,639.76 6082.68,639.76 6082.68,797.24
VO_G on Top Layer "VO_G_L01_P028" (solid, pour order 28): 6244.53,639.69 6244.6,639.76 6515.75,639.76 6515.75,364.17 6122.05,364.17 6122.05,482.28 6141.73,501.97 6220.47,501.97 6220.47,638.59 6223.06,641.18 6260.79,641.18
VIN on Top Layer "VIN_L01_P041" (solid, pour order 41): 6250,787.4 6515.75,787.4 6515.75,1102.36 6397.64,1102.36 6397.64,954.72 6348.43,954.72 6279.53,885.83 6250,885.83
GND on Top Layer "GND_L01_P018" (solid, pour order 18): 4940.94,797.24 4940.94,620.08 4783.46,620.08 4763.78,639.76 4507.87,639.76 4507.87,797.24
VO_E on Top Layer "VO_E_L01_P027" (solid, pour order 27): 4669.73,639.69 4669.8,639.76 4940.94,639.76 4940.94,364.17 4547.24,364.17 4547.24,482.28 4566.93,501.97 4645.67,501.97 4645.67,638.59 4648.26,641.18 4685.99,641.18
VIN on Top Layer "VIN_L01_P036" (solid, pour order 36): 4675.2,787.4 4940.94,787.4 4940.94,1102.36 4822.83,1102.36 4822.83,954.72 4773.62,954.72 4704.72,885.83 4675.2,885.83
GND on Top Layer "GND_L01_P017" (solid, pour order 17): 5728.35,797.24 5728.35,620.08 5570.87,620.08 5551.18,639.76 5295.28,639.76 5295.28,797.24
VO_F on Top Layer "VO_F_L01_P026" (solid, pour order 26): 5457.13,639.69 5457.2,639.76 5728.35,639.76 5728.35,364.17 5334.65,364.17 5334.65,482.28 5354.33,501.97 5433.07,501.97 5433.07,638.59 5435.66,641.18 5473.39,641.18
VIN on Top Layer "VIN_L01_P035" (solid, pour order 35): 5462.6,787.4 5728.35,787.4 5728.35,1102.36 5610.24,1102.36 5610.24,954.72 5561.02,954.72 5492.13,885.83 5462.6,885.83
GND on Top Layer "GND_L01_P016" (solid, pour order 16): 4153.54,797.24 4153.54,620.08 3996.06,620.08 3976.38,639.76 3720.47,639.76 3720.47,797.24
VO_D on Top Layer "VO_D_L01_P025" (solid, pour order 25): 3882.32,639.69 3882.39,639.76 4153.54,639.76 4153.54,364.17 3759.84,364.17 3759.84,482.28 3779.53,501.97 3858.27,501.97 3858.27,638.59 3860.86,641.18 3898.59,641.18
VIN on Top Layer "VIN_L01_P034" (solid, pour order 34): 3887.8,787.4 4153.54,787.4 4153.54,1102.36 4035.43,1102.36 4035.43,954.72 3986.22,954.72 3917.32,885.83 3887.8,885.83
GND on Top Layer "GND_L01_P015" (solid, pour order 15): 3366.14,797.24 3366.14,620.08 3208.66,620.08 3188.98,639.76 2933.07,639.76 2933.07,797.24
VO_C on Top Layer "VO_C_L01_P024" (solid, pour order 24): 3094.92,639.69 3094.99,639.76 3366.14,639.76 3366.14,364.17 2972.44,364.17 2972.44,482.28 2992.13,501.97 3070.87,501.97 3070.87,638.59 3073.46,641.18 3111.18,641.18
VIN on Top Layer "VIN_L01_P033" (solid, pour order 33): 3100.39,787.4 3366.14,787.4 3366.14,1102.36 3248.03,1102.36 3248.03,954.72 3198.82,954.72 3129.92,885.83 3100.39,885.83
GND on Top Layer "GND_L01_P014" (solid, pour order 14): 2578.74,797.24 2578.74,620.08 2421.26,620.08 2401.57,639.76 2145.67,639.76 2145.67,797.24
VO_B on Top Layer "VO_B_L01_P023" (solid, pour order 23): 2307.52,639.69 2307.59,639.76 2578.74,639.76 2578.74,364.17 2185.04,364.17 2185.04,482.28 2204.72,501.97 2283.46,501.97 2283.46,638.59 2286.06,641.18 2323.78,641.18
VIN on Top Layer "VIN_L01_P032" (solid, pour order 32): 2312.99,787.4 2578.74,787.4 2578.74,1102.36 2460.63,1102.36 2460.63,954.72 2411.42,954.72 2342.52,885.83 2312.99,885.83
GND on Top Layer "GND_L01_P013" (solid, pour order 13): 3366.14,797.24 3366.14,620.08 3208.66,620.08 3188.98,639.76 2933.07,639.76 2933.07,797.24
VO_C on Top Layer "VO_C_L01_P022" (solid, pour order 22): 3094.92,639.69 3094.99,639.76 3366.14,639.76 3366.14,364.17 2972.44,364.17 2972.44,482.28 2992.13,501.97 3070.87,501.97 3070.87,638.59 3073.46,641.18 3111.18,641.18
VIN on Top Layer "VIN_L01_P031" (solid, pour order 31): 3100.39,787.4 3366.14,787.4 3366.14,1102.36 3248.03,1102.36 3248.03,954.72 3198.82,954.72 3129.92,885.83 3100.39,885.83
GND on Top Layer "GND_L01_P012" (solid, pour order 12): 2578.74,797.24 2578.74,620.08 2421.26,620.08 2401.57,639.76 2145.67,639.76 2145.67,797.24
VO_B on Top Layer "VO_B_L01_P021" (solid, pour order 21): 2307.52,639.69 2307.59,639.76 2578.74,639.76 2578.74,364.17 2185.04,364.17 2185.04,482.28 2204.72,501.97 2283.46,501.97 2283.46,638.59 2286.06,641.18 2323.78,641.18
VIN on Top Layer "VIN_L01_P030" (solid, pour order 30): 2312.99,787.4 2578.74,787.4 2578.74,1102.36 2460.63,1102.36 2460.63,954.72 2411.42,954.72 2342.52,885.83 2312.99,885.83
VIN on Top Layer "VIN_L01_P029" (solid, pour order 29): 1525.59,787.4 1791.34,787.4 1791.34,1102.36 1673.23,1102.36 1673.23,954.72 1624.02,954.72 1555.12,885.83 1525.59,885.83
VO_A on Top Layer "VO_A_L01_P020" (solid, pour order 20): 1520.12,639.69 1520.19,639.76 1791.34,639.76 1791.34,364.17 1397.64,364.17 1397.64,482.28 1417.32,501.97 1496.06,501.97 1496.06,638.59 1498.65,641.18 1536.38,641.18
GND on Top Layer "GND_L01_P011" (solid, pour order 11): 1791.34,797.24 1791.34,620.08 1633.86,620.08 1614.17,639.76 1358.27,639.76 1358.27,797.24
GND on Int1 (GND) "GND_L02_P038" (solid, pour order 38): 39.37,2322.83 4645.67,2322.83 4645.67,2125.98 6889.76,2125.98 6889.76,39.37 39.37,39.37
VIN on Bottom Layer "VIN_L04_P040" (solid, pour order 40): 0,826.77 0,39.37 944.88,39.37 944.88,826.77
VIN on Bottom Layer "VIN_L04_P039" (solid, pour order 39): -118.11,2322.83 -118.11,826.77 6653.54,826.77 6653.54,1181.1 590.55,1181.1 590.55,2322.83
3V3 on Int2 (PWR) "3V3_L03_P042" (solid, pour order 42): 1850.39,2322.83 1850.39,1141.73 984.25,1141.73 984.25,118.11 1023.62,157.48 6653.54,157.48 6653.54,2125.98 4645.67,2125.98 4645.67,2322.83

## Other copper
Top Layer:
  text "PCB REV A" at 236.38,2273.78 h23.62

## Silkscreen, mask and mechanical layers (free items; w line width, h text height)
Top Overlay:
  drawing of 46 lines, arcs and shapes, not listed
  text "DCBuddy v2" at 3385.83,2173.45 h157.48
  text "blueAcro.com" at 3671.26,2097.19 h78.74
  text "(c) 2024 StackFoundry LLC" at 6826.77,350.39 h23.62 r90
Mechanical 1:
  the board outline again, w10

## Text inside footprints (layer, text, board x,y; h text height)
SP300: Top Overlay "+" at 6717.96,1183.71 h120